# KiCad board Leopold Replacement.kicad_pcb (continued)
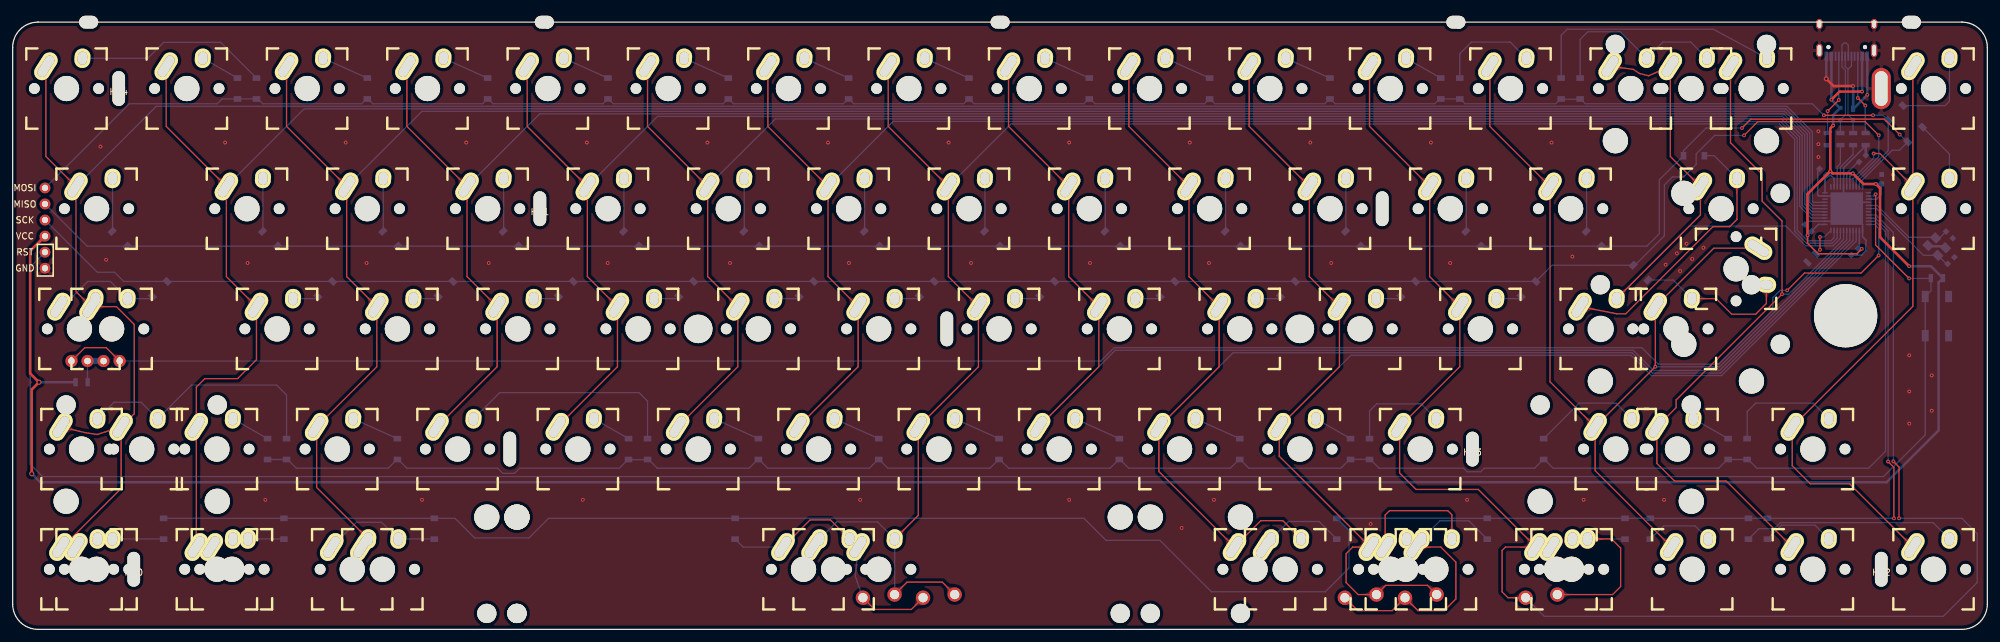
[diagram p0: board, top side]
## Copper pours and planes (outline as drawn; the poured copper is in the pictures) (continued)
Col15 on Top: 298.37,14.72 298.45,14.64 298.51,14.56 298.57,14.49 298.62,14.42 298.67,14.35 298.71,14.29 298.74,14.22 298.77,14.16 298.8,14.09 298.82,14.03 298.83,13.97 298.85,13.91 298.86,13.84 298.86,13.78 298.89,13.26 298.9,13.19 298.91,13.11 298.92,13.04 298.93,12.96 298.95,12.88 298.97,12.79 298.99,12.71 299.02,12.62 300.65,12.58 300.62,14.21 300.52,14.24 300.44,14.26 300.35,14.28 300.27,14.3 300.19,14.31 300.12,14.32 300.04,14.33 299.97,14.34 299.45,14.37 299.39,14.37 299.32,14.38 299.26,14.4 299.2,14.41 299.14,14.43 299.07,14.46 299.01,14.49 298.94,14.52 298.88,14.56 298.81,14.61 298.74,14.66 298.67,14.72 298.59,14.78 298.52,14.86
Col15 on Top: 298.37,71.75 298.45,71.67 298.51,71.59 298.57,71.52 298.62,71.45 298.67,71.38 298.71,71.32 298.74,71.25 298.77,71.19 298.8,71.12 298.82,71.06 298.83,71 298.85,70.94 298.86,70.87 298.86,70.81 298.89,70.29 298.9,70.22 298.91,70.14 298.92,70.07 298.93,69.99 298.95,69.91 298.97,69.82 298.99,69.74 299.02,69.65 300.65,69.61 300.62,71.24 300.52,71.27 300.44,71.29 300.35,71.31 300.27,71.33 300.19,71.34 300.12,71.35 300.04,71.36 299.97,71.37 299.45,71.4 299.39,71.4 299.32,71.41 299.26,71.43 299.2,71.44 299.14,71.46 299.07,71.49 299.01,71.52 298.94,71.55 298.88,71.59 298.81,71.64 298.74,71.69 298.67,71.75 298.59,71.81 298.52,71.89
Row0 on Bottom: 6.24,71.09 6.18,71.04 6.14,71 6.09,70.96 6.04,70.92 5.99,70.89 5.95,70.86 5.91,70.84 5.86,70.82 5.82,70.8 5.01,70.68 4.95,70.66 4.89,70.65 4.83,70.63 4.81,69.52 5.91,69.55 5.93,69.61 5.95,69.67 5.97,69.72 6.09,70.53 6.11,70.58 6.13,70.62 6.15,70.66 6.18,70.71 6.21,70.75 6.24,70.8 6.28,70.85 6.33,70.9 6.38,70.95
Row1 on Bottom: 6.38,66.16 6.33,66.21 6.28,66.26 6.24,66.31 6.21,66.36 6.18,66.4 6.15,66.45 6.13,66.49 6.11,66.53 6.09,66.58 5.97,67.39 5.95,67.44 5.93,67.5 5.91,67.56 4.81,67.59 4.83,66.48 4.89,66.46 4.95,66.45 5.01,66.43 5.82,66.31 5.86,66.29 5.91,66.27 5.95,66.25 5.99,66.22 6.04,66.19 6.09,66.15 6.14,66.11 6.18,66.07 6.24,66.02
Row2 on Bottom: 6.38,63.62 6.33,63.67 6.28,63.72 6.24,63.77 6.21,63.82 6.18,63.86 6.15,63.91 6.13,63.95 6.11,63.99 6.09,64.04 5.97,64.85 5.95,64.9 5.93,64.96 5.91,65.02 4.81,65.05 4.83,63.94 4.89,63.92 4.95,63.91 5.01,63.89 5.82,63.77 5.86,63.75 5.91,63.73 5.95,63.71 5.99,63.68 6.04,63.65 6.09,63.61 6.14,63.57 6.18,63.53 6.24,63.48
RST on Bottom: 302.05,47.54 301.65,46.69 302.15,46.18 302.64,46.69 302.25,47.54
RST on Bottom: 302.25,51.56 302.64,52.41 302.15,52.93 301.65,52.41 302.05,51.56
RST on Bottom: 3.99,58.4 4.04,58.45 4.09,58.49 4.14,58.53 4.18,58.57 4.23,58.6 4.27,58.63 4.32,58.65 4.36,58.67 4.4,58.69 5.22,58.81 5.27,58.83 5.33,58.84 5.39,58.86 5.41,59.97 4.31,59.94 4.29,59.88 4.27,59.82 4.26,59.77 4.14,58.96 4.12,58.91 4.1,58.87 4.07,58.83 4.05,58.78 4.02,58.74 3.98,58.69 3.94,58.64 3.9,58.59 3.85,58.54
RST on Bottom: 302.25,45.36 302.64,46.21 302.15,46.73 301.65,46.21 302.05,45.36
RST on Bottom: 302.85,53.49 301.97,53.17 301.96,52.46 302.67,52.47 302.99,53.35
Net-(C2-Pad1) on Bottom: 305.06,58.39 304.71,59.36 303.93,59.37 303.95,58.6 304.92,58.25
Net-(C2-Pad1) on Bottom: 302.96,59.06 303.88,58.62 304.45,59.16 303.88,59.7 302.96,59.26
Net-(C3-Pad1) on Bottom: 302.59,61.91 303.45,61.43 304.09,61.87 303.62,62.49 302.59,62.11
Net-(D1-Pad2) on Bottom: 13.52,90.44 13.41,90.44 13.31,90.44 13.22,90.45 13.13,90.47 13.05,90.48 12.98,90.5 12.9,90.52 12.84,90.55 12.78,90.58 12.72,90.61 12.66,90.64 12.61,90.67 12.56,90.71 12.51,90.75 12.12,91.1 12.06,91.14 12.01,91.19 11.94,91.24 11.88,91.28 11.81,91.33 11.73,91.37 11.66,91.42 11.57,91.46 10.4,90.34 11.57,89.21 11.66,89.25 11.73,89.3 11.81,89.34 11.88,89.39 11.94,89.43 12.01,89.48 12.06,89.53 12.12,89.57 12.51,89.92 12.56,89.96 12.61,90 12.66,90.03 12.72,90.06 12.78,90.09 12.84,90.12 12.9,90.15 12.98,90.17 13.05,90.19 13.13,90.21 13.22,90.22 13.31,90.23 13.41,90.23 13.52,90.24
Net-(D2-Pad2) on Bottom: 15.88,68.84 15.88,68.94 15.89,69.04 15.89,69.13 15.91,69.22 15.92,69.3 15.94,69.38 15.97,69.45 15.99,69.51 16.02,69.57 16.05,69.63 16.08,69.69 16.12,69.74 16.15,69.79 16.19,69.84 16.54,70.23 16.59,70.29 16.63,70.35 16.68,70.41 16.72,70.47 16.77,70.54 16.82,70.62 16.86,70.7 16.9,70.78 15.78,71.95 14.65,70.78 14.7,70.7 14.74,70.62 14.78,70.54 14.83,70.47 14.88,70.41 14.92,70.35 14.97,70.29 15.02,70.23 15.36,69.84 15.4,69.79 15.44,69.74 15.47,69.69 15.51,69.63 15.54,69.57 15.56,69.51 15.59,69.45 15.61,69.38 15.63,69.3 15.65,69.22 15.66,69.13 15.67,69.04 15.68,68.94 15.68,68.84
Net-(D3-Pad2) on Bottom: 16.32,54.01 16.4,53.93 16.46,53.85 16.52,53.78 16.57,53.71 16.62,53.64 16.66,53.58 16.69,53.51 16.72,53.45 16.74,53.38 16.77,53.32 16.78,53.26 16.79,53.2 16.8,53.13 16.81,53.07 16.84,52.55 16.85,52.48 16.86,52.4 16.87,52.33 16.88,52.25 16.9,52.17 16.92,52.08 16.94,52 16.97,51.91 18.6,51.87 18.56,53.5 18.47,53.53 18.39,53.55 18.3,53.57 18.22,53.59 18.14,53.6 18.06,53.61 17.99,53.62 17.92,53.63 17.4,53.66 17.33,53.66 17.27,53.67 17.21,53.69 17.15,53.7 17.09,53.72 17.02,53.75 16.96,53.78 16.89,53.81 16.82,53.85 16.76,53.9 16.69,53.95 16.61,54.01 16.54,54.07 16.46,54.15
Net-(D3-Pad2) on Bottom: 20.64,52.42 20.54,52.42 20.44,52.42 20.35,52.43 20.26,52.45 20.18,52.46 20.1,52.48 20.03,52.5 19.97,52.53 19.91,52.56 19.85,52.59 19.79,52.62 19.74,52.65 19.69,52.69 19.64,52.73 19.25,53.08 19.19,53.12 19.13,53.17 19.07,53.22 19.01,53.26 18.94,53.31 18.86,53.35 18.78,53.4 18.7,53.44 17.53,52.32 18.7,51.19 18.78,51.23 18.86,51.28 18.94,51.32 19.01,51.37 19.07,51.41 19.13,51.46 19.19,51.51 19.25,51.55 19.64,51.9 19.69,51.94 19.74,51.98 19.79,52.01 19.85,52.04 19.91,52.07 19.97,52.1 20.03,52.13 20.1,52.15 20.18,52.17 20.26,52.19 20.35,52.2 20.44,52.21 20.54,52.21 20.64,52.22
Net-(D3-Pad2) on Bottom: 9.24,52.55 9.17,52.49 9.11,52.43 9.04,52.38 8.98,52.33 8.92,52.29 8.86,52.26 8.8,52.23 8.74,52.21 8.68,52.19 8.62,52.18 8.57,52.17 8.51,52.16 8.45,52.16 8.39,52.16 8.34,52.16 8.28,52.17 7.69,52.27 7.62,52.28 7.54,52.28 7.46,52.29 7.38,52.29 7.29,52.3 6.74,50.77 8.28,50.27 8.34,50.36 8.4,50.44 8.45,50.52 8.49,50.59 8.53,50.67 8.57,50.74 8.6,50.81 8.63,50.88 8.65,50.95 8.67,51.01 8.8,51.47 8.82,51.53 8.84,51.6 8.87,51.67 8.89,51.73 8.93,51.8 8.96,51.87 9.01,51.94 9.05,52.02 9.1,52.09 9.16,52.17 9.23,52.25 9.3,52.33 9.38,52.41
Net-(D4-Pad2) on Bottom: 15.09,35.14 15.01,35.06 14.94,35 14.87,34.94 14.8,34.89 14.73,34.84 14.66,34.8 14.6,34.77 14.53,34.74 14.47,34.71 14.41,34.69 14.34,34.68 14.28,34.66 14.22,34.65 14.16,34.65 13.64,34.62 13.56,34.61 13.49,34.6 13.41,34.59 13.34,34.58 13.25,34.56 13.17,34.54 13.08,34.52 12.99,34.49 12.96,32.86 14.58,32.9 14.61,32.99 14.64,33.07 14.66,33.16 14.67,33.24 14.69,33.32 14.7,33.39 14.71,33.47 14.71,33.54 14.74,34.06 14.75,34.12 14.76,34.19 14.77,34.25 14.79,34.31 14.81,34.37 14.83,34.44 14.86,34.5 14.9,34.57 14.94,34.63 14.98,34.7 15.03,34.77 15.09,34.84 15.16,34.92 15.23,35
Net-(D4-Pad2) on Bottom: 24.6,35.14 24.52,35.06 24.45,35 24.37,34.94 24.3,34.89 24.24,34.84 24.17,34.8 24.1,34.77 24.04,34.74 23.97,34.71 23.91,34.69 23.85,34.68 23.79,34.66 23.73,34.65 23.66,34.65 23.14,34.62 23.07,34.61 23,34.6 22.92,34.59 22.84,34.58 22.76,34.56 22.67,34.54 22.59,34.52 22.5,34.49 22.46,32.86 24.09,32.9 24.12,32.99 24.14,33.07 24.16,33.16 24.18,33.24 24.19,33.32 24.2,33.39 24.21,33.47 24.22,33.54 24.25,34.06 24.26,34.12 24.27,34.19 24.28,34.25 24.29,34.31 24.32,34.37 24.34,34.44 24.37,34.5 24.4,34.57 24.44,34.63 24.49,34.7 24.54,34.77 24.6,34.84 24.66,34.92 24.74,35
Net-(D4-Pad2) on Bottom: 21.07,35 21.15,34.92 21.21,34.84 21.27,34.77 21.33,34.7 21.37,34.63 21.41,34.57 21.44,34.5 21.47,34.44 21.5,34.37 21.52,34.31 21.53,34.25 21.55,34.19 21.56,34.12 21.57,34.06 21.59,33.54 21.6,33.47 21.61,33.39 21.62,33.32 21.63,33.24 21.65,33.16 21.67,33.07 21.7,32.99 21.73,32.9 23.35,32.86 23.32,34.49 23.23,34.52 23.14,34.54 23.05,34.56 22.97,34.58 22.89,34.59 22.82,34.6 22.74,34.61 22.67,34.62 22.15,34.65 22.09,34.65 22.02,34.66 21.96,34.68 21.9,34.69 21.84,34.71 21.77,34.74 21.71,34.77 21.64,34.8 21.58,34.84 21.51,34.89 21.44,34.94 21.37,35 21.29,35.06 21.22,35.14
Net-(D5-Pad2) on Bottom: 32.25,89.19 32.15,89.24 32.07,89.29 32,89.35 31.93,89.4 31.87,89.46 31.81,89.51 31.76,89.56 31.71,89.62 31.67,89.67 31.64,89.73 31.61,89.78 31.58,89.84 31.55,89.9 31.53,89.96 31.36,90.45 31.34,90.52 31.31,90.59 31.28,90.66 31.25,90.73 31.21,90.81 31.17,90.88 31.12,90.96 31.07,91.04 29.49,90.65 29.95,89.09 30.04,89.08 30.14,89.08 30.22,89.08 30.31,89.09 30.38,89.1 30.46,89.11 30.53,89.12 30.61,89.13 31.12,89.24 31.18,89.25 31.24,89.25 31.31,89.26 31.37,89.26 31.44,89.26 31.5,89.25 31.57,89.24 31.65,89.22 31.72,89.2 31.8,89.18 31.88,89.14 31.96,89.11 32.05,89.06 32.15,89.01
Net-(D6-Pad2) on Bottom: 39.64,68.84 39.64,68.94 39.65,69.04 39.66,69.13 39.67,69.22 39.69,69.3 39.71,69.38 39.73,69.45 39.75,69.51 39.78,69.57 39.81,69.63 39.84,69.69 39.88,69.74 39.91,69.79 39.95,69.84 40.3,70.23 40.35,70.29 40.39,70.35 40.44,70.41 40.49,70.47 40.53,70.54 40.58,70.62 40.62,70.7 40.66,70.78 39.54,71.95 38.41,70.78 38.46,70.7 38.5,70.62 38.55,70.54 38.59,70.47 38.64,70.41 38.69,70.35 38.73,70.29 38.78,70.23 39.13,69.84 39.17,69.79 39.2,69.74 39.24,69.69 39.27,69.63 39.3,69.57 39.33,69.51 39.35,69.45 39.37,69.38 39.39,69.3 39.41,69.22 39.42,69.13 39.43,69.04 39.44,68.94 39.44,68.84
Net-(D7-Pad2) on Bottom: 46.78,52.42 46.68,52.42 46.58,52.42 46.48,52.43 46.4,52.45 46.32,52.46 46.24,52.48 46.17,52.5 46.11,52.53 46.04,52.56 45.99,52.59 45.93,52.62 45.88,52.65 45.83,52.69 45.78,52.73 45.39,53.08 45.33,53.12 45.27,53.17 45.21,53.22 45.15,53.26 45.08,53.31 45,53.35 44.92,53.4 44.84,53.44 43.67,52.32 44.84,51.19 44.92,51.23 45,51.28 45.08,51.32 45.15,51.37 45.21,51.41 45.27,51.46 45.33,51.51 45.39,51.55 45.78,51.9 45.83,51.94 45.88,51.98 45.93,52.01 45.99,52.04 46.04,52.07 46.11,52.1 46.17,52.13 46.24,52.15 46.32,52.17 46.4,52.19 46.48,52.2 46.58,52.21 46.68,52.21 46.78,52.22
Net-(D8-Pad2) on Bottom: 37,32.16 36.91,32.21 36.82,32.26 36.75,32.32 36.68,32.37 36.62,32.43 36.56,32.48 36.51,32.53 36.47,32.59 36.43,32.64 36.39,32.7 36.36,32.75 36.33,32.81 36.3,32.87 36.28,32.93 36.11,33.42 36.09,33.49 36.06,33.56 36.03,33.63 36,33.7 35.96,33.78 35.92,33.85 35.87,33.93 35.82,34.01 34.25,33.62 34.7,32.06 34.8,32.05 34.89,32.05 34.97,32.05 35.06,32.06 35.14,32.07 35.21,32.08 35.29,32.09 35.36,32.1 35.87,32.21 35.93,32.22 35.99,32.22 36.06,32.23 36.12,32.23 36.19,32.23 36.26,32.22 36.33,32.21 36.4,32.19 36.47,32.17 36.55,32.15 36.63,32.11 36.72,32.08 36.81,32.03 36.9,31.98
Net-(D9-Pad2) on Bottom: 51.36,89.41 51.26,89.45 51.17,89.5 51.09,89.54 51.02,89.59 50.95,89.64 50.89,89.69 50.84,89.74 50.79,89.79 50.74,89.84 50.7,89.89 50.66,89.94 50.63,89.99 50.6,90.05 50.57,90.1 50.35,90.58 50.32,90.65 50.29,90.71 50.25,90.78 50.21,90.85 50.17,90.92 50.12,90.99 50.06,91.06 50,91.14 48.47,90.59 49.08,89.09 49.18,89.09 49.27,89.1 49.35,89.11 49.44,89.12 49.51,89.14 49.59,89.15 49.66,89.17 49.73,89.19 50.23,89.35 50.29,89.37 50.35,89.38 50.41,89.39 50.48,89.39 50.54,89.4 50.61,89.4 50.68,89.39 50.76,89.38 50.83,89.37 50.91,89.35 51,89.33 51.08,89.3 51.18,89.26 51.28,89.22
Net-(D10-Pad2) on Bottom: 58.65,68.84 58.65,68.94 58.66,69.04 58.67,69.13 58.68,69.22 58.7,69.3 58.72,69.38 58.74,69.45 58.76,69.51 58.79,69.57 58.82,69.63 58.85,69.69 58.89,69.74 58.92,69.79 58.96,69.84 59.31,70.23 59.36,70.29 59.4,70.35 59.45,70.41 59.5,70.47 59.54,70.54 59.59,70.62 59.63,70.7 59.67,70.78 58.55,71.95 57.42,70.78 57.47,70.7 57.51,70.62 57.56,70.54 57.6,70.47 57.65,70.41 57.7,70.35 57.74,70.29 57.79,70.23 58.14,69.84 58.18,69.79 58.21,69.74 58.25,69.69 58.28,69.63 58.31,69.57 58.34,69.51 58.36,69.45 58.38,69.38 58.4,69.3 58.42,69.22 58.43,69.13 58.44,69.04 58.45,68.94 58.45,68.84
Net-(D11-Pad2) on Bottom: 65.79,52.42 65.69,52.42 65.59,52.42 65.49,52.43 65.41,52.45 65.33,52.46 65.25,52.48 65.18,52.5 65.12,52.53 65.05,52.56 65,52.59 64.94,52.62 64.89,52.65 64.84,52.69 64.79,52.73 64.4,53.08 64.34,53.12 64.28,53.17 64.22,53.22 64.16,53.26 64.09,53.31 64.01,53.35 63.93,53.4 63.85,53.44 62.68,52.32 63.85,51.19 63.93,51.23 64.01,51.28 64.09,51.32 64.16,51.37 64.22,51.41 64.28,51.46 64.34,51.51 64.4,51.55 64.79,51.9 64.84,51.94 64.89,51.98 64.94,52.01 65,52.04 65.05,52.07 65.12,52.1 65.18,52.13 65.25,52.15 65.33,52.17 65.41,52.19 65.49,52.2 65.59,52.21 65.69,52.21 65.79,52.22
Net-(D12-Pad2) on Bottom: 56.11,32.38 56.01,32.42 55.93,32.47 55.85,32.51 55.77,32.56 55.7,32.61 55.64,32.66 55.59,32.71 55.54,32.76 55.49,32.81 55.45,32.86 55.42,32.91 55.38,32.96 55.35,33.02 55.32,33.07 55.11,33.55 55.08,33.62 55.04,33.68 55,33.75 54.96,33.82 54.92,33.89 54.87,33.96 54.82,34.03 54.76,34.11 53.23,33.56 53.83,32.06 53.93,32.06 54.02,32.07 54.11,32.08 54.19,32.09 54.27,32.11 54.34,32.12 54.41,32.14 54.48,32.16 54.98,32.32 55.04,32.34 55.1,32.35 55.17,32.36 55.23,32.36 55.3,32.37 55.36,32.37 55.44,32.36 55.51,32.35 55.58,32.34 55.66,32.32 55.75,32.3 55.84,32.27 55.93,32.23 56.03,32.19
Net-(D13-Pad2) on Bottom: 70.37,89.41 70.27,89.45 70.18,89.5 70.1,89.54 70.03,89.59 69.96,89.64 69.9,89.69 69.85,89.74 69.8,89.79 69.75,89.84 69.71,89.89 69.67,89.94 69.64,89.99 69.61,90.05 69.58,90.1 69.36,90.58 69.33,90.65 69.3,90.71 69.26,90.78 69.22,90.85 69.18,90.92 69.13,90.99 69.07,91.06 69.01,91.14 67.48,90.59 68.09,89.09 68.19,89.09 68.28,89.1 68.36,89.11 68.45,89.12 68.52,89.14 68.6,89.15 68.67,89.17 68.74,89.19 69.24,89.35 69.3,89.37 69.36,89.38 69.42,89.39 69.49,89.39 69.55,89.4 69.62,89.4 69.69,89.39 69.77,89.38 69.84,89.37 69.92,89.35 70.01,89.33 70.09,89.3 70.19,89.26 70.29,89.22
Net-(D14-Pad2) on Bottom: 77.66,68.84 77.66,68.94 77.67,69.04 77.68,69.13 77.69,69.22 77.71,69.3 77.73,69.38 77.75,69.45 77.77,69.51 77.8,69.57 77.83,69.63 77.86,69.69 77.9,69.74 77.93,69.79 77.97,69.84 78.32,70.23 78.37,70.29 78.41,70.35 78.46,70.41 78.51,70.47 78.55,70.54 78.6,70.62 78.64,70.7 78.69,70.78 77.56,71.95 76.44,70.78 76.48,70.7 76.52,70.62 76.57,70.54 76.61,70.47 76.66,70.41 76.71,70.35 76.75,70.29 76.8,70.23 77.15,69.84 77.19,69.79 77.22,69.74 77.26,69.69 77.29,69.63 77.32,69.57 77.35,69.51 77.37,69.45 77.39,69.38 77.41,69.3 77.43,69.22 77.44,69.13 77.45,69.04 77.46,68.94 77.46,68.84
Net-(D15-Pad2) on Bottom: 84.8,52.42 84.7,52.42 84.6,52.42 84.5,52.43 84.42,52.45 84.34,52.46 84.26,52.48 84.19,52.5 84.13,52.53 84.06,52.56 84.01,52.59 83.95,52.62 83.9,52.65 83.85,52.69 83.8,52.73 83.41,53.08 83.35,53.12 83.29,53.17 83.23,53.22 83.17,53.26 83.1,53.31 83.02,53.35 82.94,53.4 82.86,53.44 81.69,52.32 82.86,51.19 82.94,51.23 83.02,51.28 83.1,51.32 83.17,51.37 83.23,51.41 83.29,51.46 83.35,51.51 83.41,51.55 83.8,51.9 83.85,51.94 83.9,51.98 83.95,52.01 84.01,52.04 84.06,52.07 84.13,52.1 84.19,52.13 84.26,52.15 84.34,52.17 84.42,52.19 84.5,52.2 84.6,52.21 84.7,52.21 84.8,52.22
Net-(D16-Pad2) on Bottom: 74.5,35.14 74.42,35.06 74.35,35 74.27,34.94 74.2,34.89 74.14,34.84 74.07,34.8 74,34.77 73.94,34.74 73.88,34.71 73.81,34.69 73.75,34.68 73.69,34.66 73.63,34.65 73.57,34.65 73.04,34.62 72.97,34.61 72.9,34.6 72.82,34.59 72.74,34.58 72.66,34.56 72.58,34.54 72.49,34.52 72.4,34.49 72.37,32.86 73.99,32.9 74.02,32.99 74.04,33.07 74.06,33.16 74.08,33.24 74.09,33.32 74.1,33.39 74.11,33.47 74.12,33.54 74.15,34.06 74.16,34.12 74.17,34.19 74.18,34.25 74.2,34.31 74.22,34.37 74.24,34.44 74.27,34.5 74.3,34.57 74.34,34.63 74.39,34.7 74.44,34.77 74.5,34.84 74.57,34.92 74.64,35
Net-(D17-Pad2) on Bottom: 89.38,89.41 89.28,89.45 89.19,89.5 89.11,89.54 89.04,89.59 88.97,89.64 88.91,89.69 88.86,89.74 88.81,89.79 88.76,89.84 88.72,89.89 88.68,89.94 88.65,89.99 88.62,90.05 88.59,90.1 88.37,90.58 88.34,90.65 88.31,90.71 88.27,90.78 88.23,90.85 88.19,90.92 88.14,90.99 88.08,91.06 88.02,91.14 86.49,90.59 87.1,89.09 87.2,89.09 87.29,89.1 87.37,89.11 87.46,89.12 87.53,89.14 87.61,89.15 87.68,89.17 87.75,89.19 88.25,89.35 88.31,89.37 88.37,89.38 88.43,89.39 88.5,89.39 88.56,89.4 88.63,89.4 88.7,89.39 88.78,89.38 88.85,89.37 88.93,89.35 89.02,89.33 89.1,89.3 89.2,89.26 89.3,89.22
Net-(D18-Pad2) on Bottom: 96.67,68.84 96.67,68.94 96.68,69.04 96.69,69.13 96.7,69.22 96.72,69.3 96.74,69.38 96.76,69.45 96.78,69.51 96.81,69.57 96.84,69.63 96.87,69.69 96.91,69.74 96.94,69.79 96.98,69.84 97.33,70.23 97.38,70.29 97.42,70.35 97.47,70.41 97.52,70.47 97.56,70.54 97.61,70.62 97.65,70.7 97.69,70.78 96.57,71.95 95.44,70.78 95.49,70.7 95.53,70.62 95.58,70.54 95.62,70.47 95.67,70.41 95.72,70.35 95.76,70.29 95.81,70.23 96.16,69.84 96.2,69.79 96.23,69.74 96.27,69.69 96.3,69.63 96.33,69.57 96.36,69.51 96.38,69.45 96.4,69.38 96.42,69.3 96.44,69.22 96.45,69.13 96.46,69.04 96.47,68.94 96.47,68.84
Net-(D19-Pad2) on Bottom: 103.81,52.42 103.71,52.42 103.61,52.42 103.51,52.43 103.43,52.45 103.35,52.46 103.27,52.48 103.2,52.5 103.14,52.53 103.07,52.56 103.02,52.59 102.96,52.62 102.91,52.65 102.86,52.69 102.81,52.73 102.42,53.08 102.36,53.12 102.3,53.17 102.24,53.22 102.18,53.26 102.11,53.31 102.03,53.35 101.95,53.4 101.87,53.44 100.7,52.32 101.87,51.19 101.95,51.23 102.03,51.28 102.11,51.32 102.18,51.37 102.24,51.41 102.3,51.46 102.36,51.51 102.42,51.55 102.81,51.9 102.86,51.94 102.91,51.98 102.96,52.01 103.02,52.04 103.07,52.07 103.14,52.1 103.2,52.13 103.27,52.15 103.35,52.17 103.43,52.19 103.51,52.2 103.61,52.21 103.71,52.21 103.81,52.22
Net-(D20-Pad2) on Bottom: 94.03,32.16 93.94,32.21 93.85,32.26 93.78,32.32 93.71,32.37 93.65,32.43 93.59,32.48 93.54,32.53 93.5,32.59 93.46,32.64 93.42,32.7 93.39,32.75 93.36,32.81 93.33,32.87 93.31,32.93 93.14,33.42 93.12,33.49 93.09,33.56 93.06,33.63 93.03,33.7 92.99,33.78 92.95,33.85 92.9,33.93 92.85,34.01 91.28,33.62 91.73,32.06 91.83,32.05 91.92,32.05 92,32.05 92.09,32.06 92.17,32.07 92.24,32.08 92.32,32.09 92.39,32.1 92.9,32.21 92.96,32.22 93.02,32.22 93.09,32.23 93.15,32.23 93.22,32.23 93.29,32.22 93.36,32.21 93.43,32.19 93.5,32.17 93.58,32.15 93.66,32.11 93.75,32.08 93.84,32.03 93.93,31.98
Net-(D21-Pad2) on Bottom: 108.39,89.41 108.29,89.45 108.2,89.5 108.12,89.54 108.05,89.59 107.98,89.64 107.92,89.69 107.87,89.74 107.82,89.79 107.77,89.84 107.73,89.89 107.69,89.94 107.66,89.99 107.63,90.05 107.6,90.1 107.38,90.58 107.35,90.65 107.32,90.71 107.28,90.78 107.24,90.85 107.2,90.92 107.15,90.99 107.09,91.06 107.03,91.14 105.5,90.59 106.11,89.09 106.21,89.09 106.3,89.1 106.38,89.11 106.47,89.12 106.54,89.14 106.62,89.15 106.69,89.17 106.76,89.19 107.26,89.35 107.32,89.37 107.38,89.38 107.44,89.39 107.51,89.39 107.57,89.4 107.64,89.4 107.71,89.39 107.79,89.38 107.86,89.37 107.94,89.35 108.03,89.33 108.11,89.3 108.21,89.26 108.31,89.22
Net-(D22-Pad2) on Bottom: 115.68,68.84 115.68,68.94 115.69,69.04 115.7,69.13 115.71,69.22 115.73,69.3 115.75,69.38 115.77,69.45 115.79,69.51 115.82,69.57 115.85,69.63 115.88,69.69 115.92,69.74 115.95,69.79 115.99,69.84 116.34,70.23 116.39,70.29 116.43,70.35 116.48,70.41 116.53,70.47 116.57,70.54 116.62,70.62 116.66,70.7 116.7,70.78 115.58,71.95 114.45,70.78 114.5,70.7 114.54,70.62 114.59,70.54 114.63,70.47 114.68,70.41 114.73,70.35 114.77,70.29 114.82,70.23 115.17,69.84 115.21,69.79 115.24,69.74 115.28,69.69 115.31,69.63 115.34,69.57 115.37,69.51 115.39,69.45 115.41,69.38 115.43,69.3 115.45,69.22 115.46,69.13 115.47,69.04 115.48,68.94 115.48,68.84
Net-(D23-Pad2) on Bottom: 122.82,52.42 122.72,52.42 122.62,52.42 122.52,52.43 122.44,52.45 122.36,52.46 122.28,52.48 122.21,52.5 122.15,52.53 122.08,52.56 122.03,52.59 121.97,52.62 121.92,52.65 121.87,52.69 121.82,52.73 121.43,53.08 121.37,53.12 121.31,53.17 121.25,53.22 121.19,53.26 121.12,53.31 121.04,53.35 120.96,53.4 120.88,53.44 119.71,52.32 120.88,51.19 120.96,51.23 121.04,51.28 121.12,51.32 121.19,51.37 121.25,51.41 121.31,51.46 121.37,51.51 121.43,51.55 121.82,51.9 121.87,51.94 121.92,51.98 121.97,52.01 122.03,52.04 122.08,52.07 122.15,52.1 122.21,52.13 122.28,52.15 122.36,52.17 122.44,52.19 122.52,52.2 122.62,52.21 122.72,52.21 122.82,52.22
Net-(D24-Pad2) on Bottom: 113.14,32.38 113.04,32.42 112.96,32.47 112.88,32.51 112.8,32.56 112.73,32.61 112.67,32.66 112.62,32.71 112.57,32.76 112.52,32.81 112.48,32.86 112.45,32.91 112.41,32.96 112.38,33.02 112.35,33.07 112.14,33.55 112.11,33.62 112.07,33.68 112.03,33.75 111.99,33.82 111.95,33.89 111.9,33.96 111.85,34.03 111.79,34.11 110.26,33.56 110.86,32.06 110.96,32.06 111.05,32.07 111.14,32.08 111.22,32.09 111.3,32.11 111.37,32.12 111.44,32.14 111.51,32.16 112.01,32.32 112.07,32.34 112.13,32.35 112.2,32.36 112.26,32.36 112.33,32.37 112.39,32.37 112.47,32.36 112.54,32.35 112.61,32.34 112.69,32.32 112.78,32.3 112.87,32.27 112.96,32.23 113.06,32.19
Net-(D25-Pad2) on Bottom: 127.4,89.41 127.3,89.45 127.21,89.5 127.13,89.54 127.06,89.59 126.99,89.64 126.93,89.69 126.88,89.74 126.83,89.79 126.78,89.84 126.74,89.89 126.7,89.94 126.67,89.99 126.64,90.05 126.61,90.1 126.39,90.58 126.36,90.65 126.33,90.71 126.29,90.78 126.25,90.85 126.21,90.92 126.16,90.99 126.1,91.06 126.04,91.14 124.51,90.59 125.12,89.09 125.22,89.09 125.31,89.1 125.39,89.11 125.48,89.12 125.55,89.14 125.63,89.15 125.7,89.17 125.77,89.19 126.27,89.35 126.33,89.37 126.39,89.38 126.45,89.39 126.52,89.39 126.58,89.4 126.65,89.4 126.72,89.39 126.8,89.38 126.87,89.37 126.95,89.35 127.04,89.33 127.12,89.3 127.22,89.26 127.32,89.22
Net-(D26-Pad2) on Bottom: 134.69,68.84 134.69,68.94 134.7,69.04 134.71,69.13 134.72,69.22 134.74,69.3 134.76,69.38 134.78,69.45 134.8,69.51 134.83,69.57 134.86,69.63 134.89,69.69 134.93,69.74 134.96,69.79 135,69.84 135.35,70.23 135.4,70.29 135.44,70.35 135.49,70.41 135.54,70.47 135.58,70.54 135.63,70.62 135.67,70.7 135.72,70.78 134.59,71.95 133.47,70.78 133.51,70.7 133.55,70.62 133.6,70.54 133.64,70.47 133.69,70.41 133.74,70.35 133.78,70.29 133.83,70.23 134.18,69.84 134.22,69.79 134.25,69.74 134.29,69.69 134.32,69.63 134.35,69.57 134.38,69.51 134.4,69.45 134.42,69.38 134.44,69.3 134.46,69.22 134.47,69.13 134.48,69.04 134.49,68.94 134.49,68.84
Net-(D27-Pad2) on Bottom: 141.83,52.42 141.73,52.42 141.63,52.42 141.53,52.43 141.45,52.45 141.37,52.46 141.29,52.48 141.22,52.5 141.16,52.53 141.09,52.56 141.04,52.59 140.98,52.62 140.93,52.65 140.88,52.69 140.83,52.73 140.44,53.08 140.38,53.12 140.32,53.17 140.26,53.22 140.2,53.26 140.13,53.31 140.05,53.35 139.97,53.4 139.89,53.44 138.72,52.32 139.89,51.19 139.97,51.23 140.05,51.28 140.13,51.32 140.2,51.37 140.26,51.41 140.32,51.46 140.38,51.51 140.44,51.55 140.83,51.9 140.88,51.94 140.93,51.98 140.98,52.01 141.04,52.04 141.09,52.07 141.16,52.1 141.22,52.13 141.29,52.15 141.37,52.17 141.45,52.19 141.53,52.2 141.63,52.21 141.73,52.21 141.83,52.22
Net-(D28-Pad2) on Bottom: 132.15,32.38 132.05,32.42 131.97,32.47 131.89,32.51 131.81,32.56 131.74,32.61 131.68,32.66 131.63,32.71 131.58,32.76 131.53,32.81 131.49,32.86 131.46,32.91 131.42,32.96 131.39,33.02 131.36,33.07 131.15,33.55 131.12,33.62 131.08,33.68 131.04,33.75 131,33.82 130.96,33.89 130.91,33.96 130.86,34.03 130.8,34.11 129.27,33.56 129.87,32.06 129.97,32.06 130.06,32.07 130.15,32.08 130.23,32.09 130.31,32.11 130.38,32.12 130.45,32.14 130.52,32.16 131.02,32.32 131.08,32.34 131.14,32.35 131.21,32.36 131.27,32.36 131.34,32.37 131.4,32.37 131.48,32.36 131.55,32.35 131.62,32.34 131.7,32.32 131.79,32.3 131.88,32.27 131.97,32.23 132.07,32.19
Net-(D29-Pad2) on Bottom: 146.41,89.41 146.31,89.45 146.22,89.5 146.14,89.54 146.07,89.59 146,89.64 145.94,89.69 145.89,89.74 145.84,89.79 145.79,89.84 145.75,89.89 145.71,89.94 145.68,89.99 145.65,90.05 145.62,90.1 145.4,90.58 145.37,90.65 145.34,90.71 145.3,90.78 145.26,90.85 145.22,90.92 145.17,90.99 145.11,91.06 145.05,91.14 143.52,90.59 144.13,89.09 144.23,89.09 144.32,89.1 144.4,89.11 144.49,89.12 144.56,89.14 144.64,89.15 144.71,89.17 144.78,89.19 145.28,89.35 145.34,89.37 145.4,89.38 145.46,89.39 145.53,89.39 145.59,89.4 145.66,89.4 145.73,89.39 145.81,89.38 145.88,89.37 145.96,89.35 146.05,89.33 146.13,89.3 146.23,89.26 146.33,89.22
Net-(D30-Pad2) on Bottom: 153.7,68.84 153.7,68.94 153.71,69.04 153.72,69.13 153.73,69.22 153.75,69.3 153.77,69.38 153.79,69.45 153.81,69.51 153.84,69.57 153.87,69.63 153.9,69.69 153.94,69.74 153.97,69.79 154.01,69.84 154.36,70.23 154.41,70.29 154.45,70.35 154.5,70.41 154.55,70.47 154.59,70.54 154.64,70.62 154.68,70.7 154.72,70.78 153.6,71.95 152.47,70.78 152.52,70.7 152.56,70.62 152.61,70.54 152.65,70.47 152.7,70.41 152.75,70.35 152.79,70.29 152.84,70.23 153.19,69.84 153.23,69.79 153.26,69.74 153.3,69.69 153.33,69.63 153.36,69.57 153.39,69.51 153.41,69.45 153.43,69.38 153.45,69.3 153.47,69.22 153.48,69.13 153.49,69.04 153.5,68.94 153.5,68.84
Net-(D31-Pad2) on Bottom: 160.84,52.42 160.74,52.42 160.64,52.42 160.54,52.43 160.46,52.45 160.38,52.46 160.3,52.48 160.23,52.5 160.17,52.53 160.1,52.56 160.05,52.59 159.99,52.62 159.94,52.65 159.89,52.69 159.84,52.73 159.45,53.08 159.39,53.12 159.33,53.17 159.27,53.22 159.21,53.26 159.14,53.31 159.06,53.35 158.98,53.4 158.9,53.44 157.73,52.32 158.9,51.19 158.98,51.23 159.06,51.28 159.14,51.32 159.21,51.37 159.27,51.41 159.33,51.46 159.39,51.51 159.45,51.55 159.84,51.9 159.89,51.94 159.94,51.98 159.99,52.01 160.05,52.04 160.1,52.07 160.17,52.1 160.23,52.13 160.3,52.15 160.38,52.17 160.46,52.19 160.54,52.2 160.64,52.21 160.74,52.21 160.84,52.22
